# Altium PCB STB_LightBoard.PcbDoc (part 21 of 31)
Units mm, origin at the board's own origin, x right, y up, seen from the top; angles counter-clockwise.
Board outline 348 x 348 mm, 2 copper layers (Top Layer, Bottom Layer), stack 1.672 mm thick; 3807 components, 3391 nets, 11616 pads, 2553 vias.
Unrouted connection lines stored in the file: 68.
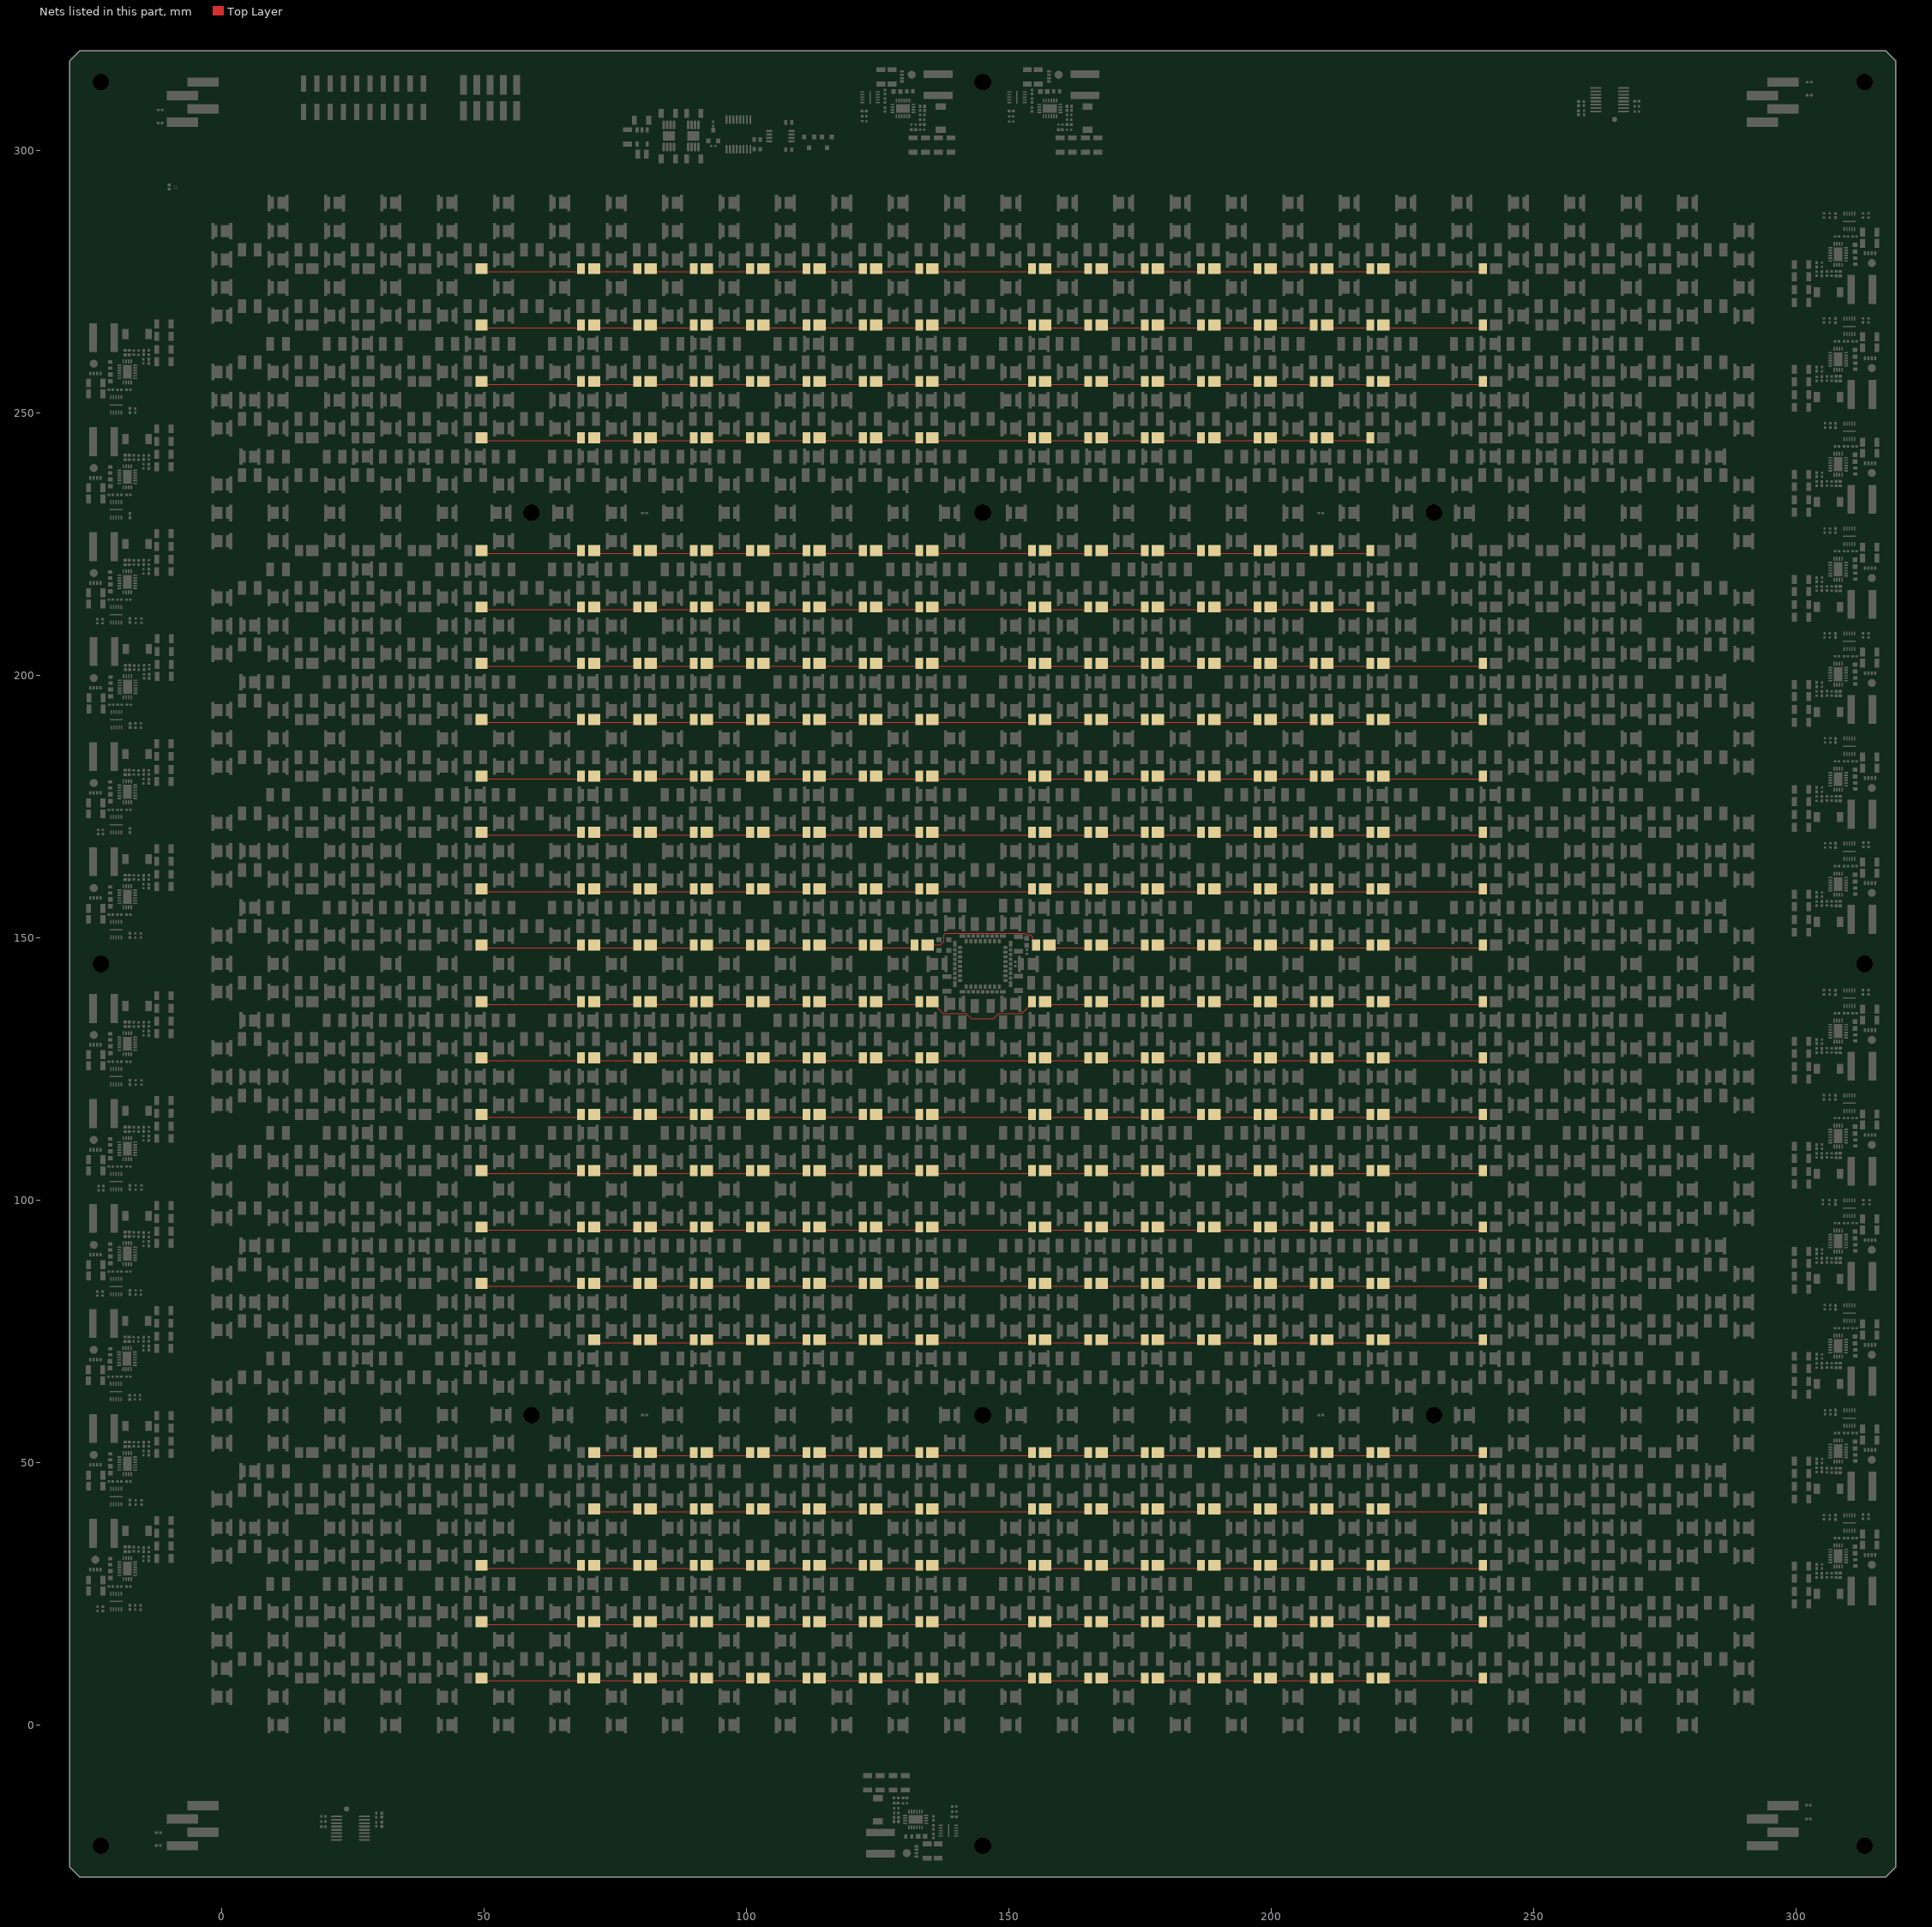
[diagram p21: the nets of this part, all layers, seen from the top]

## Via types
v1: diameter 0.604, hole 0.3, Top Layer to Bottom Layer, tented both sides, 2553 vias

## Nets (pads, with @x,y where several pads share a name; then routed paths per layer and width w, separated by ;. In a path a pad name is that pad's centre, name@x,y a point inside that pad or via, vN(x,y) a via of type N, cw(c..) or ccw(c..) an arc to the next point about the centre after c; other vN are vias at no path point) (continued)
NetLED46_IR740_13_1: LED46_IR740_13.1 LED47_IR740_13.2 | length 23.7
  Top Layer w0.2: 228.4,255.45 222.124,255.45 228.797,255.45 239.538,255.45
NetLED46_IR740_14_1: LED46_IR740_14.1 LED47_IR740_14.2 | length 23.7
  Top Layer w0.2: 228.4,266.191 222.124,266.191 228.797,266.191 239.538,266.191
NetLED46_IR740_15_1: LED46_IR740_15.1 LED47_IR740_15.2 | length 23.7
  Top Layer w0.2: 228.4,276.932 222.124,276.932 228.797,276.932 239.538,276.932
NetLED46_IR740_20_1: LED46_IR740_20.1 LED47_IR740_20.2 | length 23.7
  Top Layer w0.2: 228.4,148.04 222.124,148.04 228.797,148.04 239.538,148.04
NetLED46_IR740_21_1: LED46_IR740_21.1 LED47_IR740_21.2 | length 23.7
  Top Layer w0.2: 228.4,158.781 222.124,158.781 228.797,158.781 239.538,158.781
NetLED46_IR740_22_1: LED46_IR740_22.1 LED47_IR740_22.2 | length 23.7
  Top Layer w0.2: 228.4,169.522 222.124,169.522 228.797,169.522 239.538,169.522
NetLED46_IR740_23_1: LED46_IR740_23.1 LED47_IR740_23.2 | length 23.7
  Top Layer w0.2: 228.4,180.263 222.124,180.263 228.797,180.263 239.538,180.263
NetLED46_IR740_24_1: LED46_IR740_24.1 LED47_IR740_24.2 | length 23.7
  Top Layer w0.2: 228.4,191.004 222.124,191.004 228.797,191.004 239.538,191.004
NetLED46_IR740_25_1: LED46_IR740_25.1 LED47_IR740_25.2 | length 23.7
  Top Layer w0.2: 228.4,201.745 222.124,201.745 228.797,201.745 239.538,201.745
NetLED46_IR740_30_1: LED46_IR740_30.1 LED47_IR740_30.2 | length 23.7
  Top Layer w0.2: 228.4,83.594 222.124,83.594 228.797,83.594 239.538,83.594
NetLED46_IR740_31_1: LED46_IR740_31.1 LED47_IR740_31.2 | length 23.7
  Top Layer w0.2: 228.4,94.335 222.124,94.335 228.797,94.335 239.538,94.335
NetLED46_IR740_32_1: LED46_IR740_32.1 LED47_IR740_32.2 | length 23.7
  Top Layer w0.2: 228.4,105.076 222.124,105.076 228.797,105.076 239.538,105.076
NetLED46_IR740_33_1: LED46_IR740_33.1 LED47_IR740_33.2 | length 23.7
  Top Layer w0.2: 228.4,115.817 222.124,115.817 228.797,115.817 239.538,115.817
NetLED46_IR740_34_1: LED46_IR740_34.1 LED47_IR740_34.2 | length 23.7
  Top Layer w0.2: 228.4,126.558 222.124,126.558 228.797,126.558 239.538,126.558
NetLED46_IR740_35_1: LED46_IR740_35.1 LED47_IR740_35.2 | length 23.7
  Top Layer w0.2: 228.4,137.299 222.124,137.299 228.797,137.299 239.538,137.299
NetLED46_IR740_40_1: LED46_IR740_40.1 LED47_IR740_40.2 | length 23.7
  Top Layer w0.2: 228.4,8.407 222.124,8.407 228.797,8.407 239.538,8.407
NetLED46_IR740_41_1: LED46_IR740_41.1 LED47_IR740_41.2 | length 23.7
  Top Layer w0.2: 228.4,19.148 222.124,19.148 228.797,19.148 239.538,19.148
NetLED46_IR740_42_1: LED46_IR740_42.1 LED47_IR740_42.2 | length 23.7
  Top Layer w0.2: 228.4,29.889 222.124,29.889 228.797,29.889 239.538,29.889
NetLED46_IR740_43_1: LED46_IR740_43.1 LED47_IR740_43.2 | length 23.7
  Top Layer w0.2: 228.4,40.63 222.124,40.63 228.797,40.63 239.538,40.63
NetLED46_IR740_44_1: LED46_IR740_44.1 LED47_IR740_44.2 | length 23.7
  Top Layer w0.2: 228.4,51.371 222.124,51.371 228.797,51.371 239.538,51.371
NetLED46_IR740_45_1: LED46_IR740_45.1 LED47_IR740_45.2 | length 23.7
  Top Layer w0.2: 228.4,72.853 222.124,72.853 228.797,72.853 239.538,72.853
NetLED47_IR740_10_1: LED47_IR740_10.1 LED48_IR740_10.2 | length 6.7
  Top Layer w0.2: LED48_IR740_10.2@211.383,212.486 218.056,212.486
NetLED47_IR740_11_1: LED47_IR740_11.1 LED48_IR740_11.2 | length 6.7
  Top Layer w0.2: LED48_IR740_11.2@211.383,223.227 218.056,223.227
NetLED47_IR740_12_1: LED47_IR740_12.1 LED48_IR740_12.2 | length 6.7
  Top Layer w0.2: LED48_IR740_12.2@211.383,244.709 218.056,244.709
NetLED47_IR740_13_1: LED47_IR740_13.1 LED48_IR740_13.2 | length 6.7
  Top Layer w0.2: LED48_IR740_13.2@211.383,255.45 218.056,255.45
NetLED47_IR740_14_1: LED47_IR740_14.1 LED48_IR740_14.2 | length 6.7
  Top Layer w0.2: LED48_IR740_14.2@211.383,266.191 218.056,266.191
NetLED47_IR740_15_1: LED47_IR740_15.1 LED48_IR740_15.2 | length 6.7
  Top Layer w0.2: LED48_IR740_15.2@211.383,276.932 218.056,276.932
NetLED47_IR740_20_1: LED47_IR740_20.1 LED48_IR740_20.2 | length 6.7
  Top Layer w0.2: LED48_IR740_20.2@211.383,148.04 218.056,148.04
NetLED47_IR740_21_1: LED47_IR740_21.1 LED48_IR740_21.2 | length 6.7
  Top Layer w0.2: LED48_IR740_21.2@211.383,158.781 218.056,158.781
NetLED47_IR740_22_1: LED47_IR740_22.1 LED48_IR740_22.2 | length 6.7
  Top Layer w0.2: LED48_IR740_22.2@211.383,169.522 218.056,169.522
NetLED47_IR740_23_1: LED47_IR740_23.1 LED48_IR740_23.2 | length 6.7
  Top Layer w0.2: LED48_IR740_23.2@211.383,180.263 218.056,180.263
NetLED47_IR740_24_1: LED47_IR740_24.1 LED48_IR740_24.2 | length 6.7
  Top Layer w0.2: LED48_IR740_24.2@211.383,191.004 218.056,191.004
NetLED47_IR740_25_1: LED47_IR740_25.1 LED48_IR740_25.2 | length 6.7
  Top Layer w0.2: LED48_IR740_25.2@211.383,201.745 218.056,201.745
NetLED47_IR740_30_1: LED47_IR740_30.1 LED48_IR740_30.2 | length 6.7
  Top Layer w0.2: LED48_IR740_30.2@211.383,83.594 218.056,83.594
NetLED47_IR740_31_1: LED47_IR740_31.1 LED48_IR740_31.2 | length 6.7
  Top Layer w0.2: LED48_IR740_31.2@211.383,94.335 218.056,94.335
NetLED47_IR740_32_1: LED47_IR740_32.1 LED48_IR740_32.2 | length 6.7
  Top Layer w0.2: LED48_IR740_32.2@211.383,105.076 218.056,105.076
NetLED47_IR740_33_1: LED47_IR740_33.1 LED48_IR740_33.2 | length 6.7
  Top Layer w0.2: LED48_IR740_33.2@211.383,115.817 218.056,115.817
NetLED47_IR740_34_1: LED47_IR740_34.1 LED48_IR740_34.2 | length 6.7
  Top Layer w0.2: LED48_IR740_34.2@211.383,126.558 218.056,126.558
NetLED47_IR740_35_1: LED47_IR740_35.1 LED48_IR740_35.2 | length 6.7
  Top Layer w0.2: LED48_IR740_35.2@211.383,137.299 218.056,137.299
NetLED47_IR740_40_1: LED47_IR740_40.1 LED48_IR740_40.2 | length 6.7
  Top Layer w0.2: LED48_IR740_40.2@211.383,8.407 218.056,8.407
NetLED47_IR740_41_1: LED47_IR740_41.1 LED48_IR740_41.2 | length 6.7
  Top Layer w0.2: LED48_IR740_41.2@211.383,19.148 218.056,19.148
NetLED47_IR740_42_1: LED47_IR740_42.1 LED48_IR740_42.2 | length 6.7
  Top Layer w0.2: LED48_IR740_42.2@211.383,29.889 218.056,29.889
NetLED47_IR740_43_1: LED47_IR740_43.1 LED48_IR740_43.2 | length 6.7
  Top Layer w0.2: LED48_IR740_43.2@211.383,40.63 218.056,40.63
NetLED47_IR740_44_1: LED47_IR740_44.1 LED48_IR740_44.2 | length 6.7
  Top Layer w0.2: LED48_IR740_44.2@211.383,51.371 218.056,51.371
NetLED47_IR740_45_1: LED47_IR740_45.1 LED48_IR740_45.2 | length 6.7
  Top Layer w0.2: LED48_IR740_45.2@211.383,72.853 218.056,72.853
NetLED48_IR740_10_1: LED48_IR740_10.1 LED49_IR740_10.2 | length 6.7
  Top Layer w0.2: LED49_IR740_10.2@200.642,212.486 207.315,212.486
NetLED48_IR740_11_1: LED48_IR740_11.1 LED49_IR740_11.2 | length 6.7
  Top Layer w0.2: LED49_IR740_11.2@200.642,223.227 207.315,223.227
NetLED48_IR740_12_1: LED48_IR740_12.1 LED49_IR740_12.2 | length 6.7
  Top Layer w0.2: LED49_IR740_12.2@200.642,244.709 207.315,244.709
NetLED48_IR740_13_1: LED48_IR740_13.1 LED49_IR740_13.2 | length 6.7
  Top Layer w0.2: LED49_IR740_13.2@200.642,255.45 207.315,255.45
NetLED48_IR740_14_1: LED48_IR740_14.1 LED49_IR740_14.2 | length 6.7
  Top Layer w0.2: LED49_IR740_14.2@200.642,266.191 207.315,266.191
NetLED48_IR740_15_1: LED48_IR740_15.1 LED49_IR740_15.2 | length 6.7
  Top Layer w0.2: LED49_IR740_15.2@200.642,276.932 207.315,276.932
NetLED48_IR740_20_1: LED48_IR740_20.1 LED49_IR740_20.2 | length 6.7
  Top Layer w0.2: LED49_IR740_20.2@200.642,148.04 207.315,148.04
NetLED48_IR740_21_1: LED48_IR740_21.1 LED49_IR740_21.2 | length 6.7
  Top Layer w0.2: LED49_IR740_21.2@200.642,158.781 207.315,158.781
NetLED48_IR740_22_1: LED48_IR740_22.1 LED49_IR740_22.2 | length 6.7
  Top Layer w0.2: LED49_IR740_22.2@200.642,169.522 207.315,169.522
NetLED48_IR740_23_1: LED48_IR740_23.1 LED49_IR740_23.2 | length 6.7
  Top Layer w0.2: LED49_IR740_23.2@200.642,180.263 207.315,180.263
NetLED48_IR740_24_1: LED48_IR740_24.1 LED49_IR740_24.2 | length 6.7
  Top Layer w0.2: LED49_IR740_24.2@200.642,191.004 207.315,191.004
NetLED48_IR740_25_1: LED48_IR740_25.1 LED49_IR740_25.2 | length 6.7
  Top Layer w0.2: LED49_IR740_25.2@200.642,201.745 207.315,201.745
NetLED48_IR740_30_1: LED48_IR740_30.1 LED49_IR740_30.2 | length 6.7
  Top Layer w0.2: LED49_IR740_30.2@200.642,83.594 207.315,83.594
NetLED48_IR740_31_1: LED48_IR740_31.1 LED49_IR740_31.2 | length 6.7
  Top Layer w0.2: LED49_IR740_31.2@200.642,94.335 207.315,94.335
NetLED48_IR740_32_1: LED48_IR740_32.1 LED49_IR740_32.2 | length 6.7
  Top Layer w0.2: LED49_IR740_32.2@200.642,105.076 207.315,105.076
NetLED48_IR740_33_1: LED48_IR740_33.1 LED49_IR740_33.2 | length 6.7
  Top Layer w0.2: LED49_IR740_33.2@200.642,115.817 207.315,115.817
NetLED48_IR740_34_1: LED48_IR740_34.1 LED49_IR740_34.2 | length 6.7
  Top Layer w0.2: LED49_IR740_34.2@200.642,126.558 207.315,126.558
NetLED48_IR740_35_1: LED48_IR740_35.1 LED49_IR740_35.2 | length 6.7
  Top Layer w0.2: LED49_IR740_35.2@200.642,137.299 207.315,137.299
NetLED48_IR740_40_1: LED48_IR740_40.1 LED49_IR740_40.2 | length 6.7
  Top Layer w0.2: LED49_IR740_40.2@200.642,8.407 207.315,8.407
NetLED48_IR740_41_1: LED48_IR740_41.1 LED49_IR740_41.2 | length 6.7
  Top Layer w0.2: LED49_IR740_41.2@200.642,19.148 207.315,19.148
NetLED48_IR740_42_1: LED48_IR740_42.1 LED49_IR740_42.2 | length 6.7
  Top Layer w0.2: LED49_IR740_42.2@200.642,29.889 207.315,29.889
NetLED48_IR740_43_1: LED48_IR740_43.1 LED49_IR740_43.2 | length 6.7
  Top Layer w0.2: LED49_IR740_43.2@200.642,40.63 207.315,40.63
NetLED48_IR740_44_1: LED48_IR740_44.1 LED49_IR740_44.2 | length 6.7
  Top Layer w0.2: LED49_IR740_44.2@200.642,51.371 207.315,51.371
NetLED48_IR740_45_1: LED48_IR740_45.1 LED49_IR740_45.2 | length 6.7
  Top Layer w0.2: LED49_IR740_45.2@200.642,72.853 207.315,72.853
NetLED49_IR740_10_1: LED49_IR740_10.1 LED50_IR740_10.2 | length 6.7
  Top Layer w0.2: LED50_IR740_10.2@189.901,212.486 196.574,212.486
NetLED49_IR740_11_1: LED49_IR740_11.1 LED50_IR740_11.2 | length 6.7
  Top Layer w0.2: LED50_IR740_11.2@189.901,223.227 196.574,223.227
NetLED49_IR740_12_1: LED49_IR740_12.1 LED50_IR740_12.2 | length 6.7
  Top Layer w0.2: LED50_IR740_12.2@189.901,244.709 196.574,244.709
NetLED49_IR740_13_1: LED49_IR740_13.1 LED50_IR740_13.2 | length 6.7
  Top Layer w0.2: LED50_IR740_13.2@189.901,255.45 196.574,255.45
NetLED49_IR740_14_1: LED49_IR740_14.1 LED50_IR740_14.2 | length 6.7
  Top Layer w0.2: LED50_IR740_14.2@189.901,266.191 196.574,266.191
NetLED49_IR740_15_1: LED49_IR740_15.1 LED50_IR740_15.2 | length 6.7
  Top Layer w0.2: LED50_IR740_15.2@189.901,276.932 196.574,276.932
NetLED49_IR740_20_1: LED49_IR740_20.1 LED50_IR740_20.2 | length 6.7
  Top Layer w0.2: LED50_IR740_20.2@189.901,148.04 196.574,148.04
NetLED49_IR740_21_1: LED49_IR740_21.1 LED50_IR740_21.2 | length 6.7
  Top Layer w0.2: LED50_IR740_21.2@189.901,158.781 196.574,158.781
NetLED49_IR740_22_1: LED49_IR740_22.1 LED50_IR740_22.2 | length 6.7
  Top Layer w0.2: LED50_IR740_22.2@189.901,169.522 196.574,169.522
NetLED49_IR740_23_1: LED49_IR740_23.1 LED50_IR740_23.2 | length 6.7
  Top Layer w0.2: LED50_IR740_23.2@189.901,180.263 196.574,180.263
NetLED49_IR740_24_1: LED49_IR740_24.1 LED50_IR740_24.2 | length 6.7
  Top Layer w0.2: LED50_IR740_24.2@189.901,191.004 196.574,191.004
NetLED49_IR740_25_1: LED49_IR740_25.1 LED50_IR740_25.2 | length 6.7
  Top Layer w0.2: LED50_IR740_25.2@189.901,201.745 196.574,201.745
NetLED49_IR740_30_1: LED49_IR740_30.1 LED50_IR740_30.2 | length 6.7
  Top Layer w0.2: LED50_IR740_30.2@189.901,83.594 196.574,83.594
NetLED49_IR740_31_1: LED49_IR740_31.1 LED50_IR740_31.2 | length 6.7
  Top Layer w0.2: LED50_IR740_31.2@189.901,94.335 196.574,94.335
NetLED49_IR740_32_1: LED49_IR740_32.1 LED50_IR740_32.2 | length 6.7
  Top Layer w0.2: LED50_IR740_32.2@189.901,105.076 196.574,105.076
NetLED49_IR740_33_1: LED49_IR740_33.1 LED50_IR740_33.2 | length 6.7
  Top Layer w0.2: LED50_IR740_33.2@189.901,115.817 196.574,115.817
NetLED49_IR740_34_1: LED49_IR740_34.1 LED50_IR740_34.2 | length 6.7
  Top Layer w0.2: LED50_IR740_34.2@189.901,126.558 196.574,126.558
NetLED49_IR740_35_1: LED49_IR740_35.1 LED50_IR740_35.2 | length 6.7
  Top Layer w0.2: LED50_IR740_35.2@189.901,137.299 196.574,137.299
NetLED49_IR740_40_1: LED49_IR740_40.1 LED50_IR740_40.2 | length 6.7
  Top Layer w0.2: LED50_IR740_40.2@189.901,8.407 196.574,8.407
NetLED49_IR740_41_1: LED49_IR740_41.1 LED50_IR740_41.2 | length 6.7
  Top Layer w0.2: LED50_IR740_41.2@189.901,19.148 196.574,19.148
NetLED49_IR740_42_1: LED49_IR740_42.1 LED50_IR740_42.2 | length 6.7
  Top Layer w0.2: LED50_IR740_42.2@189.901,29.889 196.574,29.889
NetLED49_IR740_43_1: LED49_IR740_43.1 LED50_IR740_43.2 | length 6.7
  Top Layer w0.2: LED50_IR740_43.2@189.901,40.63 196.574,40.63
NetLED49_IR740_44_1: LED49_IR740_44.1 LED50_IR740_44.2 | length 6.7
  Top Layer w0.2: LED50_IR740_44.2@189.901,51.371 196.574,51.371
NetLED49_IR740_45_1: LED49_IR740_45.1 LED50_IR740_45.2 | length 6.7
  Top Layer w0.2: LED50_IR740_45.2@189.901,72.853 196.574,72.853
NetLED50_IR740_10_1: LED50_IR740_10.1 LED51_IR740_10.2 | length 6.7
  Top Layer w0.2: LED51_IR740_10.2@179.16,212.486 185.833,212.486
NetLED50_IR740_11_1: LED50_IR740_11.1 LED51_IR740_11.2 | length 6.7
  Top Layer w0.2: LED51_IR740_11.2@179.16,223.227 185.833,223.227
NetLED50_IR740_12_1: LED50_IR740_12.1 LED51_IR740_12.2 | length 6.7
  Top Layer w0.2: LED51_IR740_12.2@179.16,244.709 185.833,244.709
NetLED50_IR740_13_1: LED50_IR740_13.1 LED51_IR740_13.2 | length 6.7
  Top Layer w0.2: LED51_IR740_13.2@179.16,255.45 185.833,255.45
NetLED50_IR740_14_1: LED50_IR740_14.1 LED51_IR740_14.2 | length 6.7
  Top Layer w0.2: LED51_IR740_14.2@179.16,266.191 185.833,266.191
NetLED50_IR740_15_1: LED50_IR740_15.1 LED51_IR740_15.2 | length 6.7
  Top Layer w0.2: LED51_IR740_15.2@179.16,276.932 185.833,276.932
NetLED50_IR740_20_1: LED50_IR740_20.1 LED51_IR740_20.2 | length 6.7
  Top Layer w0.2: LED51_IR740_20.2@179.16,148.04 185.833,148.04
NetLED50_IR740_21_1: LED50_IR740_21.1 LED51_IR740_21.2 | length 6.7
  Top Layer w0.2: LED51_IR740_21.2@179.16,158.781 185.833,158.781
NetLED50_IR740_22_1: LED50_IR740_22.1 LED51_IR740_22.2 | length 6.7
  Top Layer w0.2: LED51_IR740_22.2@179.16,169.522 185.833,169.522
NetLED50_IR740_23_1: LED50_IR740_23.1 LED51_IR740_23.2 | length 6.7
  Top Layer w0.2: LED51_IR740_23.2@179.16,180.263 185.833,180.263
NetLED50_IR740_24_1: LED50_IR740_24.1 LED51_IR740_24.2 | length 6.7
  Top Layer w0.2: LED51_IR740_24.2@179.16,191.004 185.833,191.004
NetLED50_IR740_25_1: LED50_IR740_25.1 LED51_IR740_25.2 | length 6.7
  Top Layer w0.2: LED51_IR740_25.2@179.16,201.745 185.833,201.745
NetLED50_IR740_30_1: LED50_IR740_30.1 LED51_IR740_30.2 | length 6.7
  Top Layer w0.2: LED51_IR740_30.2@179.16,83.594 185.833,83.594
NetLED50_IR740_31_1: LED50_IR740_31.1 LED51_IR740_31.2 | length 6.7
  Top Layer w0.2: LED51_IR740_31.2@179.16,94.335 185.833,94.335
NetLED50_IR740_32_1: LED50_IR740_32.1 LED51_IR740_32.2 | length 6.7
  Top Layer w0.2: LED51_IR740_32.2@179.16,105.076 185.833,105.076
NetLED50_IR740_33_1: LED50_IR740_33.1 LED51_IR740_33.2 | length 6.7
  Top Layer w0.2: LED51_IR740_33.2@179.16,115.817 185.833,115.817
NetLED50_IR740_34_1: LED50_IR740_34.1 LED51_IR740_34.2 | length 6.7
  Top Layer w0.2: LED51_IR740_34.2@179.16,126.558 185.833,126.558
NetLED50_IR740_35_1: LED50_IR740_35.1 LED51_IR740_35.2 | length 6.7
  Top Layer w0.2: LED51_IR740_35.2@179.16,137.299 185.833,137.299
NetLED50_IR740_40_1: LED50_IR740_40.1 LED51_IR740_40.2 | length 6.7
  Top Layer w0.2: LED51_IR740_40.2@179.16,8.407 185.833,8.407
NetLED50_IR740_41_1: LED50_IR740_41.1 LED51_IR740_41.2 | length 6.7
  Top Layer w0.2: LED51_IR740_41.2@179.16,19.148 185.833,19.148
NetLED50_IR740_42_1: LED50_IR740_42.1 LED51_IR740_42.2 | length 6.7
  Top Layer w0.2: LED51_IR740_42.2@179.16,29.889 185.833,29.889
NetLED50_IR740_43_1: LED50_IR740_43.1 LED51_IR740_43.2 | length 6.7
  Top Layer w0.2: LED51_IR740_43.2@179.16,40.63 185.833,40.63
NetLED50_IR740_44_1: LED50_IR740_44.1 LED51_IR740_44.2 | length 6.7
  Top Layer w0.2: LED51_IR740_44.2@179.16,51.371 185.833,51.371
NetLED50_IR740_45_1: LED50_IR740_45.1 LED51_IR740_45.2 | length 6.7
  Top Layer w0.2: LED51_IR740_45.2@179.16,72.853 185.833,72.853
NetLED51_IR740_10_1: LED51_IR740_10.1 LED52_IR740_10.2 | length 6.7
  Top Layer w0.2: LED52_IR740_10.2@168.419,212.486 175.092,212.486
NetLED51_IR740_11_1: LED51_IR740_11.1 LED52_IR740_11.2 | length 6.7
  Top Layer w0.2: LED52_IR740_11.2@168.419,223.227 175.092,223.227
NetLED51_IR740_12_1: LED51_IR740_12.1 LED52_IR740_12.2 | length 6.7
  Top Layer w0.2: LED52_IR740_12.2@168.419,244.709 175.092,244.709
NetLED51_IR740_13_1: LED51_IR740_13.1 LED52_IR740_13.2 | length 6.7
  Top Layer w0.2: LED52_IR740_13.2@168.419,255.45 175.092,255.45
NetLED51_IR740_14_1: LED51_IR740_14.1 LED52_IR740_14.2 | length 6.7
  Top Layer w0.2: LED52_IR740_14.2@168.419,266.191 175.092,266.191
NetLED51_IR740_15_1: LED51_IR740_15.1 LED52_IR740_15.2 | length 6.7
  Top Layer w0.2: LED52_IR740_15.2@168.419,276.932 175.092,276.932
NetLED51_IR740_20_1: LED51_IR740_20.1 LED52_IR740_20.2 | length 6.7
  Top Layer w0.2: LED52_IR740_20.2@168.419,148.04 175.092,148.04
NetLED51_IR740_21_1: LED51_IR740_21.1 LED52_IR740_21.2 | length 6.7
  Top Layer w0.2: LED52_IR740_21.2@168.419,158.781 175.092,158.781
NetLED51_IR740_22_1: LED51_IR740_22.1 LED52_IR740_22.2 | length 6.7
  Top Layer w0.2: LED52_IR740_22.2@168.419,169.522 175.092,169.522
NetLED51_IR740_23_1: LED51_IR740_23.1 LED52_IR740_23.2 | length 6.7
  Top Layer w0.2: LED52_IR740_23.2@168.419,180.263 175.092,180.263
NetLED51_IR740_24_1: LED51_IR740_24.1 LED52_IR740_24.2 | length 6.7
  Top Layer w0.2: LED52_IR740_24.2@168.419,191.004 175.092,191.004
NetLED51_IR740_25_1: LED51_IR740_25.1 LED52_IR740_25.2 | length 6.7
  Top Layer w0.2: LED52_IR740_25.2@168.419,201.745 175.092,201.745
NetLED51_IR740_30_1: LED51_IR740_30.1 LED52_IR740_30.2 | length 6.7
  Top Layer w0.2: LED52_IR740_30.2@168.419,83.594 175.092,83.594
NetLED51_IR740_31_1: LED51_IR740_31.1 LED52_IR740_31.2 | length 6.7
  Top Layer w0.2: LED52_IR740_31.2@168.419,94.335 175.092,94.335
NetLED51_IR740_32_1: LED51_IR740_32.1 LED52_IR740_32.2 | length 6.7
  Top Layer w0.2: LED52_IR740_32.2@168.419,105.076 175.092,105.076
NetLED51_IR740_33_1: LED51_IR740_33.1 LED52_IR740_33.2 | length 6.7
  Top Layer w0.2: LED52_IR740_33.2@168.419,115.817 175.092,115.817
NetLED51_IR740_34_1: LED51_IR740_34.1 LED52_IR740_34.2 | length 6.7
  Top Layer w0.2: LED52_IR740_34.2@168.419,126.558 175.092,126.558
NetLED51_IR740_35_1: LED51_IR740_35.1 LED52_IR740_35.2 | length 6.7
  Top Layer w0.2: LED52_IR740_35.2@168.419,137.299 175.092,137.299
NetLED51_IR740_40_1: LED51_IR740_40.1 LED52_IR740_40.2 | length 6.7
  Top Layer w0.2: LED52_IR740_40.2@168.419,8.407 175.092,8.407
NetLED51_IR740_41_1: LED51_IR740_41.1 LED52_IR740_41.2 | length 6.7
  Top Layer w0.2: LED52_IR740_41.2@168.419,19.148 175.092,19.148
NetLED51_IR740_42_1: LED51_IR740_42.1 LED52_IR740_42.2 | length 6.7
  Top Layer w0.2: LED52_IR740_42.2@168.419,29.889 175.092,29.889
NetLED51_IR740_43_1: LED51_IR740_43.1 LED52_IR740_43.2 | length 6.7
  Top Layer w0.2: LED52_IR740_43.2@168.419,40.63 175.092,40.63
NetLED51_IR740_44_1: LED51_IR740_44.1 LED52_IR740_44.2 | length 6.7
  Top Layer w0.2: LED52_IR740_44.2@168.419,51.371 175.092,51.371
NetLED51_IR740_45_1: LED51_IR740_45.1 LED52_IR740_45.2 | length 6.7
  Top Layer w0.2: LED52_IR740_45.2@168.419,72.853 175.092,72.853
NetLED52_IR740_10_1: LED52_IR740_10.1 LED53_IR740_10.2 | length 6.7
  Top Layer w0.2: LED53_IR740_10.2@157.678,212.486 164.351,212.486
NetLED52_IR740_11_1: LED52_IR740_11.1 LED53_IR740_11.2 | length 6.7
  Top Layer w0.2: LED53_IR740_11.2@157.678,223.227 164.351,223.227
NetLED52_IR740_12_1: LED52_IR740_12.1 LED53_IR740_12.2 | length 6.7
  Top Layer w0.2: LED53_IR740_12.2@157.678,244.709 164.351,244.709
NetLED52_IR740_13_1: LED52_IR740_13.1 LED53_IR740_13.2 | length 6.7
  Top Layer w0.2: LED53_IR740_13.2@157.678,255.45 164.351,255.45
NetLED52_IR740_14_1: LED52_IR740_14.1 LED53_IR740_14.2 | length 6.7
  Top Layer w0.2: LED53_IR740_14.2@157.678,266.191 164.351,266.191
NetLED52_IR740_15_1: LED52_IR740_15.1 LED53_IR740_15.2 | length 6.7
  Top Layer w0.2: LED53_IR740_15.2@157.678,276.932 164.351,276.932
NetLED52_IR740_20_1: LED52_IR740_20.1 LED53_IR740_20.2 | length 6.7
  Top Layer w0.2: LED53_IR740_20.2@157.678,148.04 164.351,148.04
NetLED52_IR740_21_1: LED52_IR740_21.1 LED53_IR740_21.2 | length 6.7